# KiCad board GPDI_ULX3S_panel.kicad_pcb (continued)
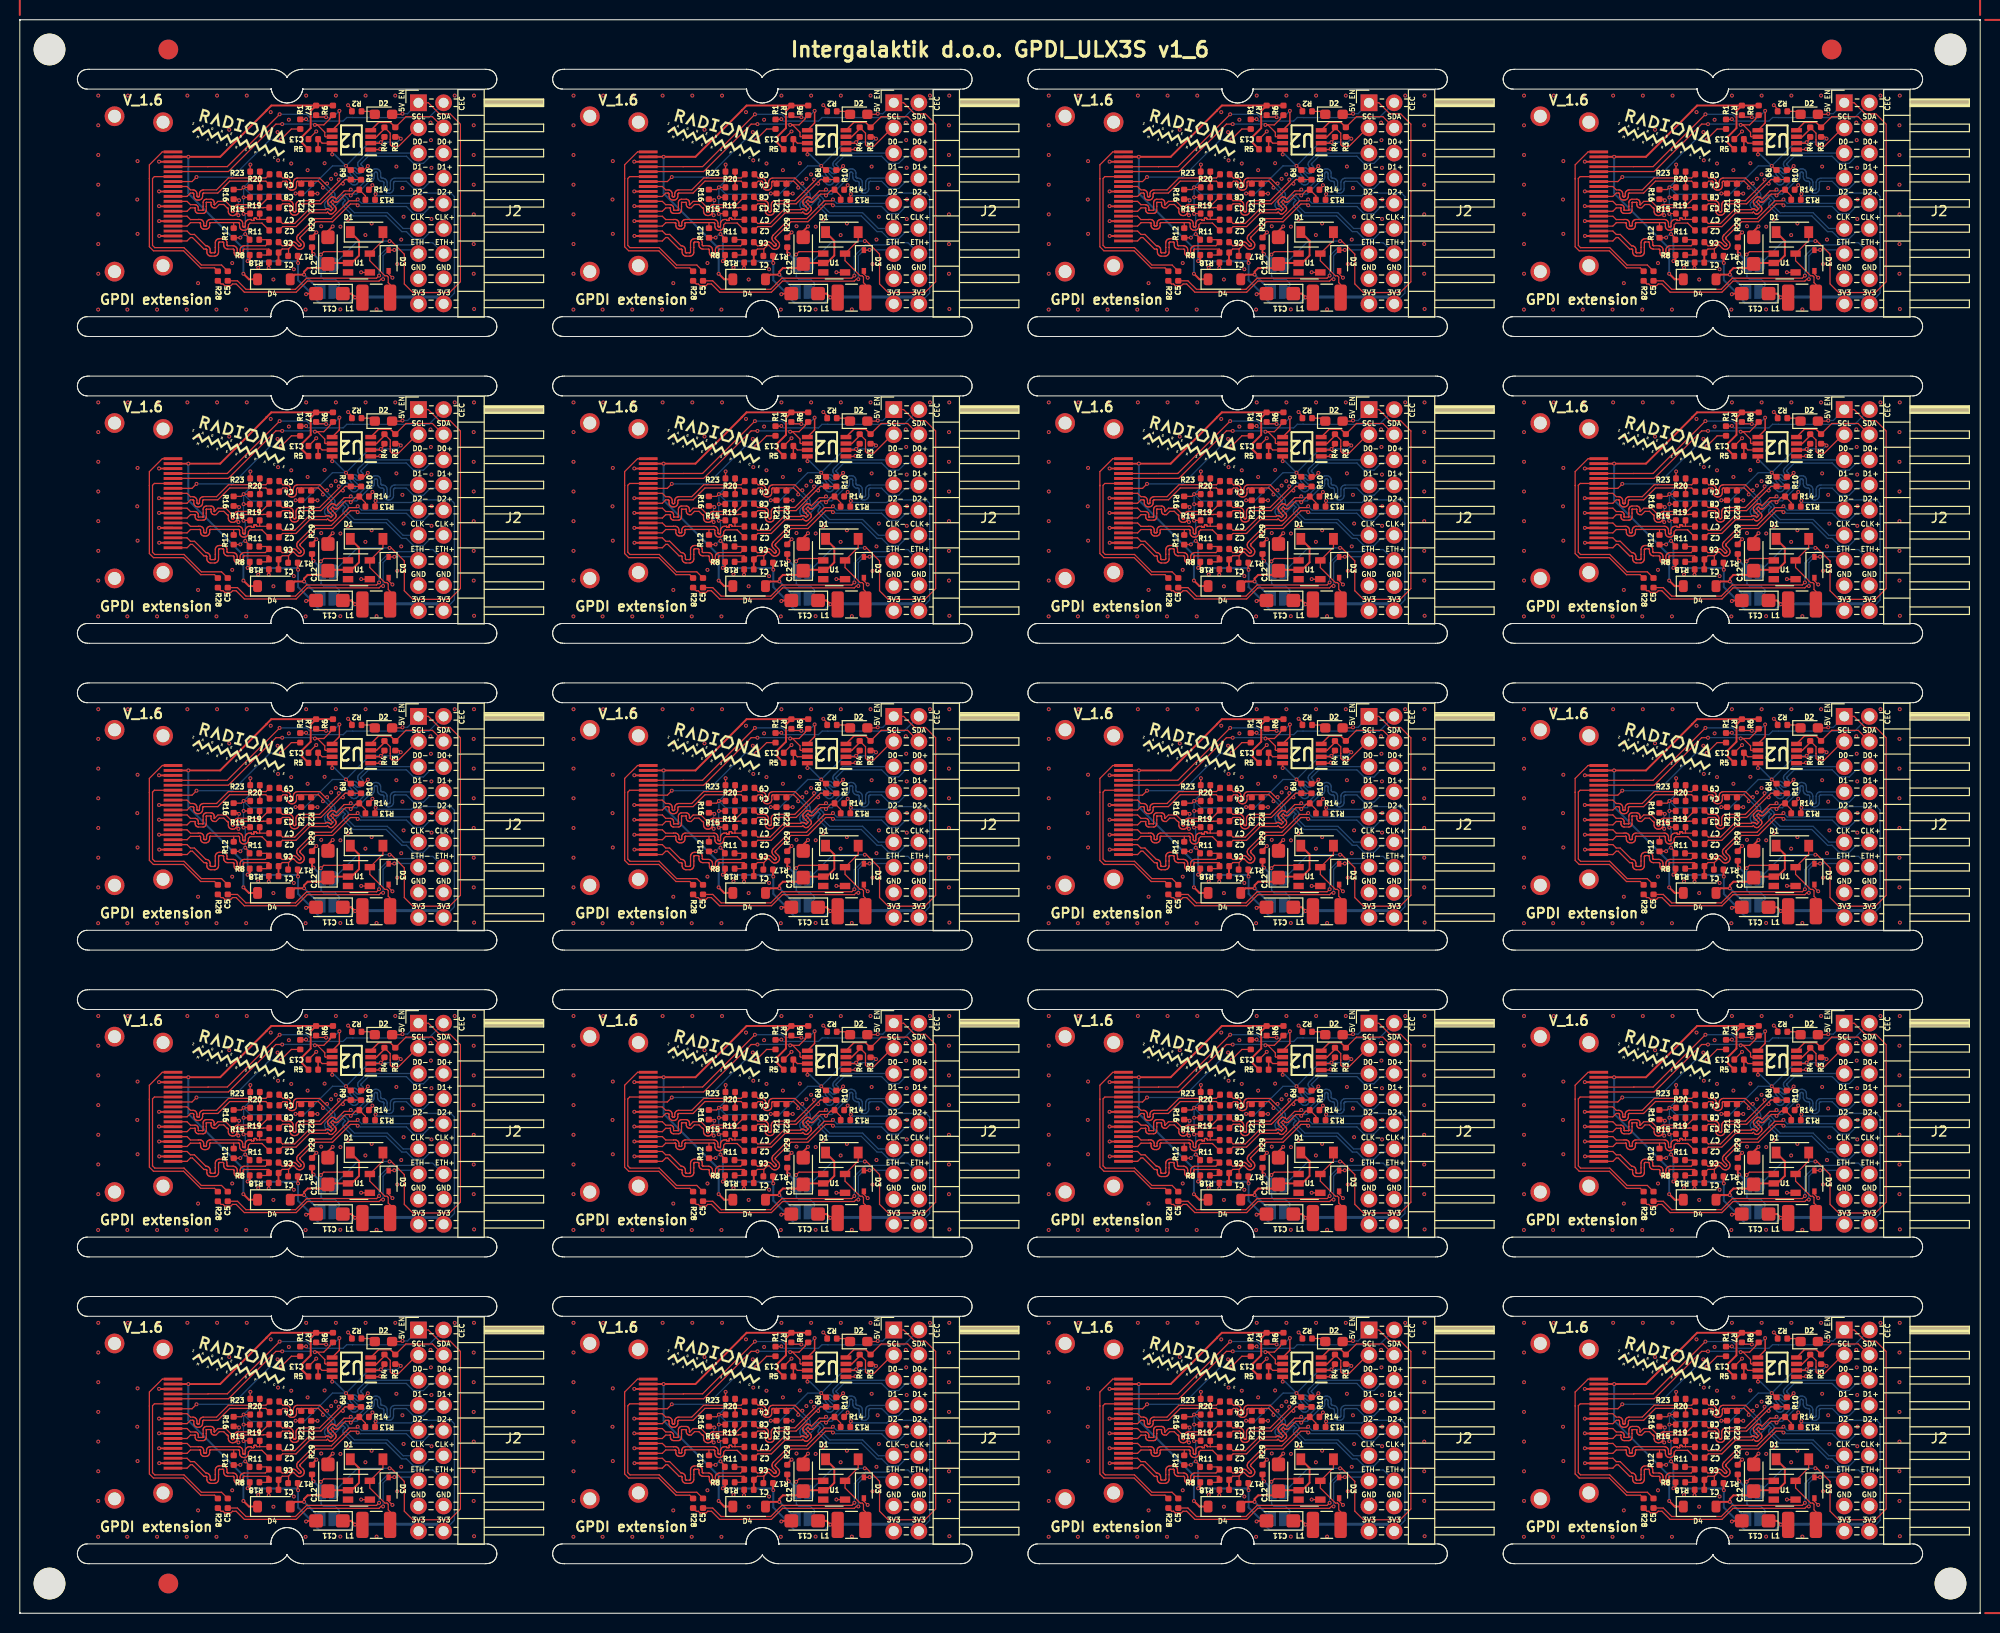
[diagram p0: board, top side]
## Placement (name value [footprint] x y rotation side) (continued)
R18#16  10K  [R_0402_1005Metric]  73.64 12.47 180 top
R18#17  10K  [R_0402_1005Metric]  73.64 74.47 180 top
R18#18  10K  [R_0402_1005Metric]  73.64 136.47 180 top
R18#19  10K  [R_0402_1005Metric]  25.64 136.47 180 top
R18#20  10K  [R_0402_1005Metric]  169.64 136.47 180 top
R19  50R  [R_0402_1005Metric]  71.73 112.06 0 top
R19#2  50R  [R_0402_1005Metric]  167.73 19.06 0 top
R19#3  50R  [R_0402_1005Metric]  71.73 81.06 0 top
R19#4  50R  [R_0402_1005Metric]  167.73 81.06 0 top
R19#5  50R  [R_0402_1005Metric]  119.73 143.06 0 top
R19#6  50R  [R_0402_1005Metric]  71.73 50.06 0 top
R19#7  50R  [R_0402_1005Metric]  71.73 19.06 0 top
R19#8  50R  [R_0402_1005Metric]  119.73 50.06 0 top
R19#9  50R  [R_0402_1005Metric]  23.73 112.06 0 top
R19#10  50R  [R_0402_1005Metric]  71.73 143.06 0 top
R19#11  50R  [R_0402_1005Metric]  167.73 143.06 0 top
R19#12  50R  [R_0402_1005Metric]  119.73 19.06 0 top
R19#13  50R  [R_0402_1005Metric]  167.73 112.06 0 top
R19#14  50R  [R_0402_1005Metric]  23.73 50.06 0 top
R19#15  50R  [R_0402_1005Metric]  23.73 19.06 0 top
R19#16  50R  [R_0402_1005Metric]  119.73 112.06 0 top
R19#17  50R  [R_0402_1005Metric]  23.73 81.06 0 top
R19#18  50R  [R_0402_1005Metric]  23.73 143.06 0 top
R19#19  50R  [R_0402_1005Metric]  167.73 50.06 0 top
R19#20  50R  [R_0402_1005Metric]  119.73 81.06 0 top
R20  50R  [R_0402_1005Metric]  167.75 82.07 0 top
R20#2  50R  [R_0402_1005Metric]  71.75 113.07 0 top
R20#3  50R  [R_0402_1005Metric]  71.75 51.07 0 top
R20#4  50R  [R_0402_1005Metric]  71.75 82.07 0 top
R20#5  50R  [R_0402_1005Metric]  71.75 20.07 0 top
R20#6  50R  [R_0402_1005Metric]  23.76 144.07 0 top
R20#7  50R  [R_0402_1005Metric]  167.75 51.07 0 top
R20#8  50R  [R_0402_1005Metric]  71.75 144.07 0 top
R20#9  50R  [R_0402_1005Metric]  119.75 82.07 0 top
R20#10  50R  [R_0402_1005Metric]  167.75 144.07 0 top
R20#11  50R  [R_0402_1005Metric]  23.76 51.07 0 top
R20#12  50R  [R_0402_1005Metric]  119.75 20.07 0 top
R20#13  50R  [R_0402_1005Metric]  119.75 113.07 0 top
R20#14  50R  [R_0402_1005Metric]  23.76 113.07 0 top
R20#15  50R  [R_0402_1005Metric]  23.76 82.07 0 top
R20#16  50R  [R_0402_1005Metric]  167.75 113.07 0 top
R20#17  50R  [R_0402_1005Metric]  119.75 144.07 0 top
R20#18  50R  [R_0402_1005Metric]  23.76 20.07 0 top
R20#19  50R  [R_0402_1005Metric]  119.75 51.07 0 top
R20#20  50R  [R_0402_1005Metric]  167.75 20.07 0 top
R21  10K  [R_0402_1005Metric]  76.42 50.94 90 top
R21#2  10K  [R_0402_1005Metric]  28.42 50.94 90 top
R21#3  10K  [R_0402_1005Metric]  124.42 112.94 90 top
R21#4  10K  [R_0402_1005Metric]  76.42 81.94 90 top
R21#5  10K  [R_0402_1005Metric]  124.42 50.94 90 top
R21#6  10K  [R_0402_1005Metric]  76.42 19.94 90 top
R21#7  10K  [R_0402_1005Metric]  76.42 143.94 90 top
R21#8  10K  [R_0402_1005Metric]  28.42 143.94 90 top
R21#9  10K  [R_0402_1005Metric]  172.42 50.94 90 top
R21#10  10K  [R_0402_1005Metric]  28.42 19.94 90 top
R21#11  10K  [R_0402_1005Metric]  172.42 19.94 90 top
R21#12  10K  [R_0402_1005Metric]  172.42 81.94 90 top
R21#13  10K  [R_0402_1005Metric]  28.42 112.94 90 top
R21#14  10K  [R_0402_1005Metric]  124.42 143.94 90 top
R21#15  10K  [R_0402_1005Metric]  172.42 112.94 90 top
R21#16  10K  [R_0402_1005Metric]  124.42 81.94 90 top
R21#17  10K  [R_0402_1005Metric]  76.42 112.94 90 top
R21#18  10K  [R_0402_1005Metric]  172.42 143.94 90 top
R21#19  10K  [R_0402_1005Metric]  28.42 81.94 90 top
R21#20  10K  [R_0402_1005Metric]  124.42 19.94 90 top
R22  10K  [R_0402_1005Metric]  125.43 112.93 270 top
R22#2  10K  [R_0402_1005Metric]  125.43 50.93 270 top
R22#3  10K  [R_0402_1005Metric]  77.43 81.93 270 top
R22#4  10K  [R_0402_1005Metric]  125.43 19.93 270 top
R22#5  10K  [R_0402_1005Metric]  77.43 143.93 270 top
R22#6  10K  [R_0402_1005Metric]  173.42 112.93 270 top
R22#7  10K  [R_0402_1005Metric]  125.43 81.93 270 top
R22#8  10K  [R_0402_1005Metric]  77.43 50.93 270 top
R22#9  10K  [R_0402_1005Metric]  173.42 19.93 270 top
R22#10  10K  [R_0402_1005Metric]  29.43 19.93 270 top
R22#11  10K  [R_0402_1005Metric]  29.43 143.93 270 top
R22#12  10K  [R_0402_1005Metric]  77.43 112.93 270 top
R22#13  10K  [R_0402_1005Metric]  173.42 143.93 270 top
R22#14  10K  [R_0402_1005Metric]  29.43 112.93 270 top
R22#15  10K  [R_0402_1005Metric]  77.43 19.93 270 top
R22#16  10K  [R_0402_1005Metric]  125.43 143.93 270 top
R22#17  10K  [R_0402_1005Metric]  173.42 50.93 270 top
R22#18  10K  [R_0402_1005Metric]  173.42 81.93 270 top
R22#19  10K  [R_0402_1005Metric]  29.43 50.93 270 top
R22#20  10K  [R_0402_1005Metric]  29.43 81.93 270 top
R23  50R  [R_0402_1005Metric]  23.76 114.66 0 top
R23#2  50R  [R_0402_1005Metric]  167.75 114.66 0 top
R23#3  50R  [R_0402_1005Metric]  167.75 21.66 0 top
R23#4  50R  [R_0402_1005Metric]  23.76 21.66 0 top
R23#5  50R  [R_0402_1005Metric]  167.75 52.66 0 top
R23#6  50R  [R_0402_1005Metric]  119.75 145.66 0 top
R23#7  50R  [R_0402_1005Metric]  23.76 83.66 0 top
R23#8  50R  [R_0402_1005Metric]  71.75 52.66 0 top
R23#9  50R  [R_0402_1005Metric]  71.75 145.66 0 top
R23#10  50R  [R_0402_1005Metric]  23.76 145.66 0 top
R23#11  50R  [R_0402_1005Metric]  71.75 114.66 0 top
R23#12  50R  [R_0402_1005Metric]  23.76 52.66 0 top
R23#13  50R  [R_0402_1005Metric]  167.75 145.66 0 top
R23#14  50R  [R_0402_1005Metric]  119.75 21.66 0 top
R23#15  50R  [R_0402_1005Metric]  167.75 83.66 0 top
R23#16  50R  [R_0402_1005Metric]  119.75 52.66 0 top
R23#17  50R  [R_0402_1005Metric]  71.75 83.66 0 top
R23#18  50R  [R_0402_1005Metric]  119.75 114.66 0 top
R23#19  50R  [R_0402_1005Metric]  119.75 83.66 0 top
R23#20  50R  [R_0402_1005Metric]  71.75 21.66 0 top
R28  510  [R_0402_1005Metric]  68 11.11 270 top
R28#2  510  [R_0402_1005Metric]  68 73.11 270 top
R28#3  510  [R_0402_1005Metric]  68 135.11 270 top
R28#4  510  [R_0402_1005Metric]  116 42.11 270 top
R28#5  510  [R_0402_1005Metric]  68 42.11 270 top
R28#6  510  [R_0402_1005Metric]  164 42.11 270 top
R28#7  510  [R_0402_1005Metric]  20 73.11 270 top
R28#8  510  [R_0402_1005Metric]  164 135.11 270 top
R28#9  510  [R_0402_1005Metric]  20 11.11 270 top
R28#10  510  [R_0402_1005Metric]  164 104.11 270 top
R28#11  510  [R_0402_1005Metric]  68 104.11 270 top
R28#12  510  [R_0402_1005Metric]  116 11.11 270 top
R28#13  510  [R_0402_1005Metric]  116 135.11 270 top
R28#14  510  [R_0402_1005Metric]  20 42.11 270 top
R28#15  510  [R_0402_1005Metric]  164 11.11 270 top
R28#16  510  [R_0402_1005Metric]  20 135.11 270 top
R28#17  510  [R_0402_1005Metric]  116 73.11 270 top
R28#18  510  [R_0402_1005Metric]  116 104.11 270 top
R28#19  510  [R_0402_1005Metric]  164 73.11 270 top
R28#20  510  [R_0402_1005Metric]  20 104.11 270 top
R29  4.7k  [R_0402_1005Metric]  125.51 45.51 90 top
R29#2  4.7k  [R_0402_1005Metric]  125.51 107.51 90 top
R29#3  4.7k  [R_0402_1005Metric]  29.51 76.51 90 top
R29#4  4.7k  [R_0402_1005Metric]  125.51 138.51 90 top
R29#5  4.7k  [R_0402_1005Metric]  77.51 138.51 90 top
R29#6  4.7k  [R_0402_1005Metric]  77.51 76.51 90 top
R29#7  4.7k  [R_0402_1005Metric]  173.51 76.51 90 top
R29#8  4.7k  [R_0402_1005Metric]  29.51 107.51 90 top
R29#9  4.7k  [R_0402_1005Metric]  29.51 45.51 90 top
R29#10  4.7k  [R_0402_1005Metric]  29.51 14.51 90 top
R29#11  4.7k  [R_0402_1005Metric]  125.51 76.51 90 top
R29#12  4.7k  [R_0402_1005Metric]  173.51 138.51 90 top
R29#13  4.7k  [R_0402_1005Metric]  29.51 138.51 90 top
R29#14  4.7k  [R_0402_1005Metric]  77.51 45.51 90 top
R29#15  4.7k  [R_0402_1005Metric]  173.51 107.51 90 top
R29#16  4.7k  [R_0402_1005Metric]  125.51 14.51 90 top
R29#17  4.7k  [R_0402_1005Metric]  173.51 45.51 90 top
R29#18  4.7k  [R_0402_1005Metric]  173.51 14.51 90 top
R29#19  4.7k  [R_0402_1005Metric]  77.51 107.51 90 top
R29#20  4.7k  [R_0402_1005Metric]  77.51 14.51 90 top
U1  RN5RK501A  [SOT-23-5]  178.25 12.43 0 top
U1#2  RN5RK501A  [SOT-23-5]  34.25 43.43 0 top
U1#3  RN5RK501A  [SOT-23-5]  130.25 12.43 0 top
U1#4  RN5RK501A  [SOT-23-5]  82.25 136.43 0 top
U1#5  RN5RK501A  [SOT-23-5]  178.25 43.43 0 top
U1#6  RN5RK501A  [SOT-23-5]  130.25 136.43 0 top
U1#7  RN5RK501A  [SOT-23-5]  34.25 12.43 0 top
U1#8  RN5RK501A  [SOT-23-5]  34.25 136.43 0 top
U1#9  RN5RK501A  [SOT-23-5]  130.25 74.42 0 top
U1#10  RN5RK501A  [SOT-23-5]  178.25 105.42 0 top
U1#11  RN5RK501A  [SOT-23-5]  130.25 105.42 0 top
U1#12  RN5RK501A  [SOT-23-5]  82.25 12.43 0 top
U1#13  RN5RK501A  [SOT-23-5]  82.25 105.42 0 top
U1#14  RN5RK501A  [SOT-23-5]  178.25 136.43 0 top
U1#15  RN5RK501A  [SOT-23-5]  130.25 43.43 0 top
U1#16  RN5RK501A  [SOT-23-5]  82.25 74.42 0 top
U1#17  RN5RK501A  [SOT-23-5]  178.25 74.42 0 top
U1#18  RN5RK501A  [SOT-23-5]  34.25 105.42 0 top
U1#19  RN5RK501A  [SOT-23-5]  34.25 74.42 0 top
U1#20  RN5RK501A  [SOT-23-5]  82.25 43.43 0 top
U2  PCA9306  [SOP65P400X130-8N]  33.49 117.86 180 top
U2#2  PCA9306  [SOP65P400X130-8N]  33.49 148.86 180 top
U2#3  PCA9306  [SOP65P400X130-8N]  33.49 86.86 180 top
U2#4  PCA9306  [SOP65P400X130-8N]  177.49 148.86 180 top
U2#5  PCA9306  [SOP65P400X130-8N]  177.49 86.86 180 top
U2#6  PCA9306  [SOP65P400X130-8N]  81.49 55.86 180 top
U2#7  PCA9306  [SOP65P400X130-8N]  177.49 117.86 180 top
U2#8  PCA9306  [SOP65P400X130-8N]  33.49 55.86 180 top
U2#9  PCA9306  [SOP65P400X130-8N]  129.49 86.86 180 top
U2#10  PCA9306  [SOP65P400X130-8N]  33.49 24.86 180 top
U2#11  PCA9306  [SOP65P400X130-8N]  177.49 24.86 180 top
U2#12  PCA9306  [SOP65P400X130-8N]  129.49 148.86 180 top
U2#13  PCA9306  [SOP65P400X130-8N]  129.49 55.86 180 top
U2#14  PCA9306  [SOP65P400X130-8N]  129.49 117.86 180 top
U2#15  PCA9306  [SOP65P400X130-8N]  81.49 86.86 180 top
U2#16  PCA9306  [SOP65P400X130-8N]  81.49 24.86 180 top
U2#17  PCA9306  [SOP65P400X130-8N]  81.49 117.86 180 top
U2#18  PCA9306  [SOP65P400X130-8N]  81.49 148.86 180 top
U2#19  PCA9306  [SOP65P400X130-8N]  177.49 55.86 180 top
U2#20  PCA9306  [SOP65P400X130-8N]  129.49 24.86 180 top

## Library data of the parts
C1 C1#2-C1#20 C2 C2#2-C2#20 C3 C3#2-C3#20 C4 C4#2-C4#20 C5 C5#2-C5#20 C6 C6#2-C6#20 C7 C7#2-C7#20 C8 C8#2-C8#20 C9 C9#2-C9#20 C13 C13#2-C13#20 = -: Description: Unpolarized capacitor
C11 C11#2-C11#20 C12 C12#2-C12#20 = -: Mouser: https://hr.mouser.com/ProductDetail/AVX/F911A476MAAAJ6?qs=%2Fha2pyFaduhcmk5N94a9UGgNrj9rR%252B7PHvoPP5o2PkAi4tovxylFCg%3D%3D
D1 D1#2-D1#20 D4 D4#2-D4#20 = -: Description: 20V 0.5A Schottky Power Rectifier Diode, SOD-123; Mouser: https://hr.mouser.com/ProductDetail/ON-Semiconductor/MBR0520LT1G?qs=3JMERSakebqBWTiPUQp0nw%3D%3D
D2 D2#2-D2#20 = -: Description: Light emitting diode
D3 D3#2-D3#20 = -: Description: Zener diode, small symbol; Mouser: https://hr.mouser.com/ProductDetail/Diodes-Incorporated/BZT52C3V6S-7-F?qs=%2Fha2pyFaduhglng4DuONzrzqlZZzuQ2wYQLkj%2FXmjbuXlxxayP8PqQ%3D%3D
J2 J2#2-J2#20 = -: Description: Generic connector, double row, 02x09, odd/even pin numbering scheme (row 1 odd numbers, row 2 even numbers), script generated (kicad-library-utils/schlib/autogen/connector/)
JP1 JP1#2-JP1#20 = -: Description: Solder Jumper, 2-pole, closed/bridged
JP2 JP2#2-JP2#20 = -: Description: Solder Jumper, 2-pole, open
L1 L1#2-L1#20 = -: Description: Inductor; Mouser: https://hr.mouser.com/ProductDetail/Taiyo-Yuden/CBC3225T101KRV?qs=%2Fha2pyFadugIn4DTdK%2FW2P6%252B7EuZIA1vhiflB2rJ50%252BxrO%2Fr%252BJ9Fsg%3D%3D
P1 P1#2-P1#20 = -: Description: HDMI-D
R1 R1#2-R1#20 R2 R2#2-R2#20 R3 R3#2-R3#20 R4 R4#2-R4#20 R5 R5#2-R5#20 R6 R6#2-R6#20 R7 R7#2-R7#20 R8 R8#2-R8#20 R9 R9#2-R9#20 R10 R10#2-R10#20 R11 R11#2-R11#20 R12 R12#2-R12#20 R13 R13#2-R13#20 R14 R14#2-R14#20 R15 R15#2-R15#20 R16 R16#2-R16#20 R17 R17#2-R17#20 R18 R18#2-R18#20 R19 R19#2-R19#20 R20 R20#2-R20#20 R21 R21#2-R21#20 R22 R22#2-R22#20 R23 R23#2-R23#20 R28 R28#2-R28#20 R29 R29#2-R29#20 = -: Description: Resistor
U1 U1#2-U1#20 = -: Field5: Ricoh Electronic Devices Company; Field6: SOT-23 ON Semiconductor; Mouser: https://hr.mouser.com/ProductDetail/Ricoh-Electronic-Devices-Company/RN5RK501A-TR-FE?qs=%2Fha2pyFaduj6rU9mQqqopqLpSc4gWoafPb0qaGmVG8uozy7W0AvfJg%3D%3D
U2 U2#2-U2#20 = -: Description: Dual bidirectional I2C Bus and SMBus voltage level translator; Mouser: https://hr.mouser.com/ProductDetail/NXP-Semiconductors/PCA9306DC1125?qs=%2Fha2pyFadujsM6%2FXSsLv3WEjAzBZyfPCrGhhHVyXfdU%3D

## Footprints (pads in the part's own frame, mm; a bottom-side part is the same pattern mirrored in y, then rotated)
C_0402_1005Metric
  rrect 0.59x0.64 smd: 1(-0.485,0) 2(0.485,0)
CONN-10029449-111RLF
  round 2 hole 1.3: 0(-7.85,-4.9) 0(-7.25,0) 0(7.25,0) 0(7.85,-4.9)
  rect 0.3x1.9 smd: 1(4.75,1) 2(4.25,1) 3(3.75,1) 4(3.25,1) 5(2.75,1) 6(2.25,1) 7(1.75,1) 8(1.25,1) 9(0.75,1) 10(0.25,1) 11(-0.25,1) 12(-0.75,1) 13(-1.25,1) 14(-1.75,1) 15(-2.25,1) 16(-2.75,1) 17(-3.25,1) 18(-3.75,1) 19(-4.25,1)
CP_EIA-3216-10_Kemet-I
  rrect 1.4x1.35 smd: 1(-1.35,0) 2(1.35,0)
D_SOD-123
  rect 0.9x1.2 smd: 1(-1.65,0) 2(1.65,0)
D_SOD-123#2
  rrect 0.9x1.2 smd: 1(-1.65,0) 2(1.65,0)
D_SOD-323
  rect 0.6x0.45 smd: 1(-1.05,0) 2(1.05,0)
Fiducial
  round 2 smd: (0,0)
L_1210_3225Metric
  rrect 1.25x2.65 smd: 1(-1.4,0) 2(1.4,0)
LED_0603_1608Metric_Pad1.05x0.95mm_HandSolder
  rrect 1.05x0.95 smd: 1(-0.875,0) 2(0.875,0)
NPTH
  round 3.2 hole 3.2 unplated: (0,0)
PinHeader_2x09_P2.54mm_Horizontal
  rect 1.7x1.7 hole 1: 1(0,0)
  oval 1.7x1.7 hole 1: 2(2.54,0) 3(0,-2.54) 4(2.54,-2.54) 5(0,-5.08) 6(2.54,-5.08) 7(0,-7.62) 8(2.54,-7.62) 9(0,-10.16) 10(2.54,-10.16) 11(0,-12.7) 12(2.54,-12.7) 13(0,-15.24) 14(2.54,-15.24) 15(0,-17.78) 16(2.54,-17.78) 17(0,-20.32) 18(2.54,-20.32)
R_0402_1005Metric
  rrect 0.59x0.64 smd: 1(-0.485,0) 2(0.485,0)
SolderJumper-2_P1.3mm_Bridged_RoundedPad1.0x1.5mm
  custom 1x1.5 smd: 1(-0.65,0) 2(0.65,0)
SolderJumper-2_P1.3mm_Open_RoundedPad1.0x1.5mm
  custom 1x1.5 smd: 1(-0.65,0) 2(0.65,0)
SOP65P400X130-8N
  rect 1.1x0.45 smd: 1(-1.95,0.975) 2(-1.95,0.325) 3(-1.95,-0.325) 4(-1.95,-0.975) 5(1.95,-0.975) 6(1.95,-0.325) 7(1.95,0.325) 8(1.95,0.975)
SOT-23-5
  rect 1.06x0.65 smd: 1(-1.1,0.95) 2(-1.1,0) 3(-1.1,-0.95) 4(1.1,-0.95) 5(1.1,0.95)

## Nets
Board_0-5V_ENABLE: D2#19.2 J2#9.1 JP1#2.1 JP1#2.2 JP2#20.2 R29#13.1 U1#8.1
Board_0-+3V3: C11#11.1 J2#9.17 J2#9.18 L1#18.1 R3#20.1 R4#2.1 R8.1 R9#16.1 R11#2.1 R12#16.1 R13#2.1 R15#9.1 R16#11.1 R17#8.1 R19#18.1 R20#6.1 R21#8.1 R23#10.1 U2#2.2 U2#2.8
Board_0-+5V: D4#15.1 P1#5.18 R5#2.1 R6#14.1 R7#20.1
Board_0-/CEC: P1#5.13 R1#7.1
Board_0-/CLK+: C4#14.2 P1#5.10 R20#6.2
Board_0-/CLK-: C9#15.2 P1#5.12 R23#10.2
Board_0-/D0+: C3#7.2 P1#5.7 R16#11.2
Board_0-/D0-: C8#20.2 P1#5.9 R19#18.2
Board_0-/D1+: C2#2.2 P1#5.4 R12#16.2
Board_0-/D1-: C7#7.2 P1#5.6 R15#9.2
Board_0-/D2+: C1#17.2 P1#5.1 R8.2
Board_0-/D2-: C6#3.2 P1#5.3 R11#2.2
Board_0-/ETH+: C5#17.2 P1#5.14
Board_0-/ETH-: P1#5.19 R28#16.1
Board_0-GND: C11#11.2 C12#15.2 C13#8.2 D3#18.2 J2#9.15 J2#9.16 P1#5.0 P1#5.2 P1#5.5 P1#5.8 P1#5.11 P1#5.17 R2#2.2 R10#10.2 R14#15.2 R18#19.2 R22#11.2 R29#13.2 U1#8.4 U2#2.1
Board_0-GPDI_CEC: J2#9.2 R1#7.2
Board_0-GPDI_CLK+: C4#14.1 J2#9.12 R21#8.2 R22#11.1
Board_0-GPDI_CLK-: C9#15.1 J2#9.11
Board_0-GPDI_D0+: C3#7.1 J2#9.6 R9#16.2 R10#10.1
Board_0-GPDI_D0-: C8#20.1 J2#9.5
Board_0-GPDI_D1+: C2#2.1 J2#9.8 R13#2.2 R14#15.1
Board_0-GPDI_D1-: C7#7.1 J2#9.7
Board_0-GPDI_D2+: C1#17.1 J2#9.10 R17#8.2 R18#19.1
Board_0-GPDI_D2-: C6#3.1 J2#9.9
Board_0-GPDI_ETH+: C5#17.1 J2#9.14
Board_0-GPDI_ETH-: D3#18.1 J2#9.13 R28#16.2
Board_0-GPDI_SCL: P1#5.15 R6#14.2 U2#2.6
Board_0-GPDI_SDA: P1#5.16 R7#20.2 U2#2.5
Board_0-Net-(D1-A): D1#3.2 L1#18.2 U1#8.5
Board_0-Net-(D1-K): C12#15.1 D1#3.1 D4#15.2 JP2#20.1 U1#8.2
Board_0-Net-(D2-K): D2#19.1 R2#2.1
Board_0-Net-(U2-VREF2): C13#8.1 R5#2.2 U2#2.7
Board_0-PMOD_SCL: J2#9.3 R4#2.2 U2#2.3
Board_0-PMOD_SDA: J2#9.4 R3#20.2 U2#2.4
Board_1-5V_ENABLE: D2#16.2 J2#16.1 JP1#3.1 JP1#3.2 JP2#6.2 R29#5.1 U1#4.1
Board_1-+3V3: C11#14.1 J2#16.17 J2#16.18 L1#15.1 R3#13.1 R4#20.1 R8#2.1 R9#20.1 R11#9.1 R12#18.1 R13#9.1 R15.1 R16#3.1 R17#12.1 R19#10.1 R20#8.1 R21#7.1 R23#9.1 U2#18.2 U2#18.8
Board_1-+5V: D4#10.1 P1.18 R5#15.1 R6#4.1 R7#16.1
Board_1-/CEC: P1.13 R1#20.1
Board_1-/CLK+: C4#9.2 P1.10 R20#8.2
Board_1-/CLK-: C9#5.2 P1.12 R23#9.2
Board_1-/D0+: C3#20.2 P1.7 R16#3.2
Board_1-/D0-: C8#6.2 P1.9 R19#10.2
Board_1-/D1+: C2#9.2 P1.4 R12#18.2
Board_1-/D1-: C7#19.2 P1.6 R15.2
Board_1-/D2+: C1#6.2 P1.1 R8#2.2
Board_1-/D2-: C6#4.2 P1.3 R11#9.2
Board_1-/ETH+: C5#8.2 P1.14
Board_1-/ETH-: P1.19 R28#3.1
Board_1-GND: C11#14.2 C12#16.2 C13#3.2 D3#19.2 J2#16.15 J2#16.16 P1.0 P1.2 P1.5 P1.8 P1.11 P1.17 R2#7.2 R10#8.2 R14#3.2 R18#18.2 R22#5.2 R29#5.2 U1#4.4 U2#18.1
Board_1-GPDI_CEC: J2#16.2 R1#20.2
Board_1-GPDI_CLK+: C4#9.1 J2#16.12 R21#7.2 R22#5.1
Board_1-GPDI_CLK-: C9#5.1 J2#16.11
Board_1-GPDI_D0+: C3#20.1 J2#16.6 R9#20.2 R10#8.1
Board_1-GPDI_D0-: C8#6.1 J2#16.5
Board_1-GPDI_D1+: C2#9.1 J2#16.8 R13#9.2 R14#3.1
Board_1-GPDI_D1-: C7#19.1 J2#16.7
Board_1-GPDI_D2+: C1#6.1 J2#16.10 R17#12.2 R18#18.1
Board_1-GPDI_D2-: C6#4.1 J2#16.9
Board_1-GPDI_ETH+: C5#8.1 J2#16.14
Board_1-GPDI_ETH-: D3#19.1 J2#16.13 R28#3.2
Board_1-GPDI_SCL: P1.15 R6#4.2 U2#18.6
Board_1-GPDI_SDA: P1.16 R7#16.2 U2#18.5
Board_1-Net-(D1-A): D1#13.2 L1#15.2 U1#4.5
Board_1-Net-(D1-K): C12#16.1 D1#13.1 D4#10.2 JP2#6.1 U1#4.2
Board_1-Net-(D2-K): D2#16.1 R2#7.1
Board_1-Net-(U2-VREF2): C13#3.1 R5#15.2 U2#18.7
Board_1-PMOD_SCL: J2#16.3 R4#20.2 U2#18.3
Board_1-PMOD_SDA: J2#16.4 R3#13.2 U2#18.4
Board_2-5V_ENABLE: D2#10.2 J2#19.1 JP1#6.1 JP1#6.2 JP2#15.2 R29#4.1 U1#6.1
Board_2-+3V3: C11#13.1 J2#19.17 J2#19.18 L1#16.1 R3#11.1 R4#7.1 R8#9.1 R9#11.1 R11#13.1 R12#10.1 R13.1 R15#5.1 R16#19.1 R17#10.1 R19#5.1 R20#17.1 R21#14.1 R23#6.1 U2#12.2 U2#12.8
Board_2-+5V: D4#2.1 P1#2.18 R5#8.1 R6#5.1 R7#3.1
Board_2-/CEC: P1#2.13 R1#9.1
Board_2-/CLK+: C4#12.2 P1#2.10 R20#17.2
Board_2-/CLK-: C9#4.2 P1#2.12 R23#6.2
Board_2-/D0+: C3#11.2 P1#2.7 R16#19.2
Board_2-/D0-: C8#19.2 P1#2.9 R19#5.2
Board_2-/D1+: C2#16.2 P1#2.4 R12#10.2
Board_2-/D1-: C7#16.2 P1#2.6 R15#5.2
Board_2-/D2+: C1#10.2 P1#2.1 R8#9.2
Board_2-/D2-: C6#17.2 P1#2.3 R11#13.2
Board_2-/ETH+: C5#9.2 P1#2.14
Board_2-/ETH-: P1#2.19 R28#13.1
Board_2-GND: C11#13.2 C12#12.2 C13#15.2 D3#14.2 J2#19.15 J2#19.16 P1#2.0 P1#2.2 P1#2.5 P1#2.8 P1#2.11 P1#2.17 R2#10.2 R10#14.2 R14#6.2 R18#9.2 R22#16.2 R29#4.2 U1#6.4 U2#12.1
Board_2-GPDI_CEC: J2#19.2 R1#9.2
Board_2-GPDI_CLK+: C4#12.1 J2#19.12 R21#14.2 R22#16.1
Board_2-GPDI_CLK-: C9#4.1 J2#19.11
Board_2-GPDI_D0+: C3#11.1 J2#19.6 R9#11.2 R10#14.1
Board_2-GPDI_D0-: C8#19.1 J2#19.5
Board_2-GPDI_D1+: C2#16.1 J2#19.8 R13.2 R14#6.1
Board_2-GPDI_D1-: C7#16.1 J2#19.7
Board_2-GPDI_D2+: C1#10.1 J2#19.10 R17#10.2 R18#9.1
Board_2-GPDI_D2-: C6#17.1 J2#19.9
Board_2-GPDI_ETH+: C5#9.1 J2#19.14
Board_2-GPDI_ETH-: D3#14.1 J2#19.13 R28#13.2
Board_2-GPDI_SCL: P1#2.15 R6#5.2 U2#12.6
Board_2-GPDI_SDA: P1#2.16 R7#3.2 U2#12.5
Board_2-Net-(D1-A): D1.2 L1#16.2 U1#6.5
Board_2-Net-(D1-K): C12#12.1 D1.1 D4#2.2 JP2#15.1 U1#6.2
Board_2-Net-(D2-K): D2#10.1 R2#10.1
Board_2-Net-(U2-VREF2): C13#15.1 R5#8.2 U2#12.7
Board_2-PMOD_SCL: J2#19.3 R4#7.2 U2#12.3
Board_2-PMOD_SDA: J2#19.4 R3#11.2 U2#12.4
Board_3-5V_ENABLE: D2#17.2 J2#8.1 JP1.1 JP1.2 JP2#5.2 R29#12.1 U1#14.1
Board_3-+3V3: C11#15.1 J2#8.17 J2#8.18 L1#3.1 R3.1 R4#16.1 R8#14.1 R9#18.1 R11#17.1 R12#14.1 R13#8.1 R15#14.1 R16#16.1 R17#7.1 R19#11.1 R20#10.1 R21#18.1 R23#13.1 U2#4.2 U2#4.8
Board_3-+5V: D4#11.1 P1#6.18 R5#9.1 R6#9.1 R7.1
Board_3-/CEC: P1#6.13 R1#3.1
Board_3-/CLK+: C4#11.2 P1#6.10 R20#10.2
Board_3-/CLK-: C9#17.2 P1#6.12 R23#13.2
Board_3-/D0+: C3#2.2 P1#6.7 R16#16.2
Board_3-/D0-: C8#5.2 P1#6.9 R19#11.2
Board_3-/D1+: C2#8.2 P1#6.4 R12#14.2
Board_3-/D1-: C7#12.2 P1#6.6 R15#14.2
Board_3-/D2+: C1#5.2 P1#6.1 R8#14.2
Board_3-/D2-: C6#10.2 P1#6.3 R11#17.2
Board_3-/ETH+: C5#10.2 P1#6.14
Board_3-/ETH-: P1#6.19 R28#8.1
Board_3-GND: C11#15.2 C12#7.2 C13#20.2 D3#11.2 J2#8.15 J2#8.16 P1#6.0 P1#6.2 P1#6.5 P1#6.8 P1#6.11 P1#6.17 R2#15.2 R10#9.2 R14#11.2 R18#20.2 R22#13.2 R29#12.2 U1#14.4 U2#4.1
Board_3-GPDI_CEC: J2#8.2 R1#3.2
Board_3-GPDI_CLK+: C4#11.1 J2#8.12 R21#18.2 R22#13.1
Board_3-GPDI_CLK-: C9#17.1 J2#8.11
Board_3-GPDI_D0+: C3#2.1 J2#8.6 R9#18.2 R10#9.1
Board_3-GPDI_D0-: C8#5.1 J2#8.5
Board_3-GPDI_D1+: C2#8.1 J2#8.8 R13#8.2 R14#11.1
Board_3-GPDI_D1-: C7#12.1 J2#8.7
Board_3-GPDI_D2+: C1#5.1 J2#8.10 R17#7.2 R18#20.1
Board_3-GPDI_D2-: C6#10.1 J2#8.9
Board_3-GPDI_ETH+: C5#10.1 J2#8.14
Board_3-GPDI_ETH-: D3#11.1 J2#8.13 R28#8.2
Board_3-GPDI_SCL: P1#6.15 R6#9.2 U2#4.6
Board_3-GPDI_SDA: P1#6.16 R7.2 U2#4.5
Board_3-Net-(D1-A): D1#17.2 L1#3.2 U1#14.5
Board_3-Net-(D1-K): C12#7.1 D1#17.1 D4#11.2 JP2#5.1 U1#14.2
Board_3-Net-(D2-K): D2#17.1 R2#15.1
Board_3-Net-(U2-VREF2): C13#20.1 R5#9.2 U2#4.7
Board_3-PMOD_SCL: J2#8.3 R4#16.2 U2#4.3
Board_3-PMOD_SDA: J2#8.4 R3.2 U2#4.4
Board_4-5V_ENABLE: D2#2.2 J2#18.1 JP1#12.1 JP1#12.2 JP2#18.2 R29#8.1 U1#18.1
Board_4-+3V3: C11#20.1 J2#18.17 J2#18.18 L1#20.1 R3#14.1 R4#12.1 R8#19.1 R9#7.1 R11#19.1 R12#4.1 R13#11.1 R15#10.1 R16#5.1 R17#15.1 R19#9.1 R20#14.1 R21#13.1 R23.1 U2.2 U2.8
Board_4-+5V: D4#16.1 P1#12.18 R5#10.1 R6#12.1 R7#13.1
Board_4-/CEC: P1#12.13 R1#15.1
Board_4-/CLK+: C4#13.2 P1#12.10 R20#14.2
Board_4-/CLK-: C9#10.2 P1#12.12 R23.2
Board_4-/D0+: C3#18.2 P1#12.7 R16#5.2
Board_4-/D0-: C8#7.2 P1#12.9 R19#9.2
Board_4-/D1+: C2#11.2 P1#12.4 R12#4.2
Board_4-/D1-: C7#20.2 P1#12.6 R15#10.2
Board_4-/D2+: C1#2.2 P1#12.1 R8#19.2
Board_4-/D2-: C6#15.2 P1#12.3 R11#19.2
Board_4-/ETH+: C5#2.2 P1#12.14
Board_4-/ETH-: P1#12.19 R28#20.1
Board_4-GND: C11#20.2 C12#13.2 C13#10.2 D3#12.2 J2#18.15 J2#18.16 P1#12.0 P1#12.2 P1#12.5 P1#12.8 P1#12.11 P1#12.17 R2#20.2 R10#6.2 R14#4.2 R18#6.2 R22#14.2 R29#8.2 U1#18.4 U2.1
Board_4-GPDI_CEC: J2#18.2 R1#15.2
Board_4-GPDI_CLK+: C4#13.1 J2#18.12 R21#13.2 R22#14.1
Board_4-GPDI_CLK-: C9#10.1 J2#18.11
Board_4-GPDI_D0+: C3#18.1 J2#18.6 R9#7.2 R10#6.1
Board_4-GPDI_D0-: C8#7.1 J2#18.5
Board_4-GPDI_D1+: C2#11.1 J2#18.8 R13#11.2 R14#4.1
Board_4-GPDI_D1-: C7#20.1 J2#18.7
Board_4-GPDI_D2+: C1#2.1 J2#18.10 R17#15.2 R18#6.1
Board_4-GPDI_D2-: C6#15.1 J2#18.9
Board_4-GPDI_ETH+: C5#2.1 J2#18.14
Board_4-GPDI_ETH-: D3#12.1 J2#18.13 R28#20.2
Board_4-GPDI_SCL: P1#12.15 R6#12.2 U2.6
Board_4-GPDI_SDA: P1#12.16 R7#13.2 U2.5
Board_4-Net-(D1-A): D1#19.2 L1#20.2 U1#18.5
Board_4-Net-(D1-K): C12#13.1 D1#19.1 D4#16.2 JP2#18.1 U1#18.2
Board_4-Net-(D2-K): D2#2.1 R2#20.1
Board_4-Net-(U2-VREF2): C13#10.1 R5#10.2 U2.7
Board_4-PMOD_SCL: J2#18.3 R4#12.2 U2.3
Board_4-PMOD_SDA: J2#18.4 R3#14.2 U2.4
Board_5-5V_ENABLE: D2#7.2 J2#6.1 JP1#10.1 JP1#10.2 JP2.2 R29#19.1 U1#13.1
Board_5-+3V3: C11#2.1 J2#6.17 J2#6.18 L1#19.1 R3#5.1 R4#10.1 R8#15.1 R9#13.1 R11#14.1 R12#7.1 R13#4.1 R15#7.1 R16#6.1 R17#19.1 R19.1 R20#2.1 R21#17.1 R23#11.1 U2#17.2 U2#17.8
Board_5-+5V: D4.1 P1#4.18 R5#13.1 R6#3.1 R7#15.1
Board_5-/CEC: P1#4.13 R1#18.1
Board_5-/CLK+: C4#8.2 P1#4.10 R20#2.2
Board_5-/CLK-: C9#19.2 P1#4.12 R23#11.2
Board_5-/D0+: C3#5.2 P1#4.7 R16#6.2
Board_5-/D0-: C8#13.2 P1#4.9 R19.2
Board_5-/D1+: C2#6.2 P1#4.4 R12#7.2
Board_5-/D1-: C7#4.2 P1#4.6 R15#7.2
Board_5-/D2+: C1#7.2 P1#4.1 R8#15.2
Board_5-/D2-: C6#9.2 P1#4.3 R11#14.2
Board_5-/ETH+: C5#13.2 P1#4.14
Board_5-/ETH-: P1#4.19 R28#11.1
Board_5-GND: C11#2.2 C12#2.2 C13#18.2 D3#20.2 J2#6.15 J2#6.16 P1#4.0 P1#4.2 P1#4.5 P1#4.8 P1#4.11 P1#4.17 R2.2 R10#13.2 R14#12.2 R18#3.2 R22#12.2 R29#19.2 U1#13.4 U2#17.1
Board_5-GPDI_CEC: J2#6.2 R1#18.2
Board_5-GPDI_CLK+: C4#8.1 J2#6.12 R21#17.2 R22#12.1
Board_5-GPDI_CLK-: C9#19.1 J2#6.11
Board_5-GPDI_D0+: C3#5.1 J2#6.6 R9#13.2 R10#13.1
Board_5-GPDI_D0-: C8#13.1 J2#6.5
Board_5-GPDI_D1+: C2#6.1 J2#6.8 R13#4.2 R14#12.1
Board_5-GPDI_D1-: C7#4.1 J2#6.7
Board_5-GPDI_D2+: C1#7.1 J2#6.10 R17#19.2 R18#3.1
Board_5-GPDI_D2-: C6#9.1 J2#6.9
Board_5-GPDI_ETH+: C5#13.1 J2#6.14
Board_5-GPDI_ETH-: D3#20.1 J2#6.13 R28#11.2
Board_5-GPDI_SCL: P1#4.15 R6#3.2 U2#17.6
Board_5-GPDI_SDA: P1#4.16 R7#15.2 U2#17.5
Board_5-Net-(D1-A): D1#2.2 L1#19.2 U1#13.5
Board_5-Net-(D1-K): C12#2.1 D1#2.1 D4.2 JP2.1 U1#13.2
Board_5-Net-(D2-K): D2#7.1 R2.1
Board_5-Net-(U2-VREF2): C13#18.1 R5#13.2 U2#17.7
Board_5-PMOD_SCL: J2#6.3 R4#10.2 U2#17.3
Board_5-PMOD_SDA: J2#6.4 R3#5.2 U2#17.4
Board_6-5V_ENABLE: D2#20.2 J2#5.1 JP1#20.1 JP1#20.2 JP2#19.2 R29#2.1 U1#11.1
Board_6-+3V3: C11#12.1 J2#5.17 J2#5.18 L1#9.1 R3#8.1 R4#9.1 R8#16.1 R9.1 R11#6.1 R12#6.1 R13#18.1 R15#13.1 R16#20.1 R17#20.1 R19#16.1 R20#13.1 R21#3.1 R23#18.1 U2#14.2 U2#14.8
Board_6-+5V: D4#13.1 P1#10.18 R5.1 R6.1 R7#2.1
Board_6-/CEC: P1#10.13 R1.1
Board_6-/CLK+: C4#4.2 P1#10.10 R20#13.2
Board_6-/CLK-: C9#16.2 P1#10.12 R23#18.2
Board_6-/D0+: C3#6.2 P1#10.7 R16#20.2
Board_6-/D0-: C8#12.2 P1#10.9 R19#16.2
Board_6-/D1+: C2#13.2 P1#10.4 R12#6.2
Board_6-/D1-: C7#8.2 P1#10.6 R15#13.2
Board_6-/D2+: C1#14.2 P1#10.1 R8#16.2
Board_6-/D2-: C6#16.2 P1#10.3 R11#6.2
Board_6-/ETH+: C5#16.2 P1#10.14
Board_6-/ETH-: P1#10.19 R28#18.1
Board_6-GND: C11#12.2 C12#4.2 C13#9.2 D3#5.2 J2#5.15 J2#5.16 P1#10.0 P1#10.2 P1#10.5 P1#10.8 P1#10.11 P1#10.17 R2#12.2 R10#4.2 R14#2.2 R18#11.2 R22.2 R29#2.2 U1#11.4 U2#14.1
Board_6-GPDI_CEC: J2#5.2 R1.2
Board_6-GPDI_CLK+: C4#4.1 J2#5.12 R21#3.2 R22.1
Board_6-GPDI_CLK-: C9#16.1 J2#5.11
Board_6-GPDI_D0+: C3#6.1 J2#5.6 R9.2 R10#4.1
Board_6-GPDI_D0-: C8#12.1 J2#5.5
Board_6-GPDI_D1+: C2#13.1 J2#5.8 R13#18.2 R14#2.1
Board_6-GPDI_D1-: C7#8.1 J2#5.7
Board_6-GPDI_D2+: C1#14.1 J2#5.10 R17#20.2 R18#11.1
Board_6-GPDI_D2-: C6#16.1 J2#5.9